# KiCad board QUT_Autopilot_Pixracer.kicad_pcb (continued)
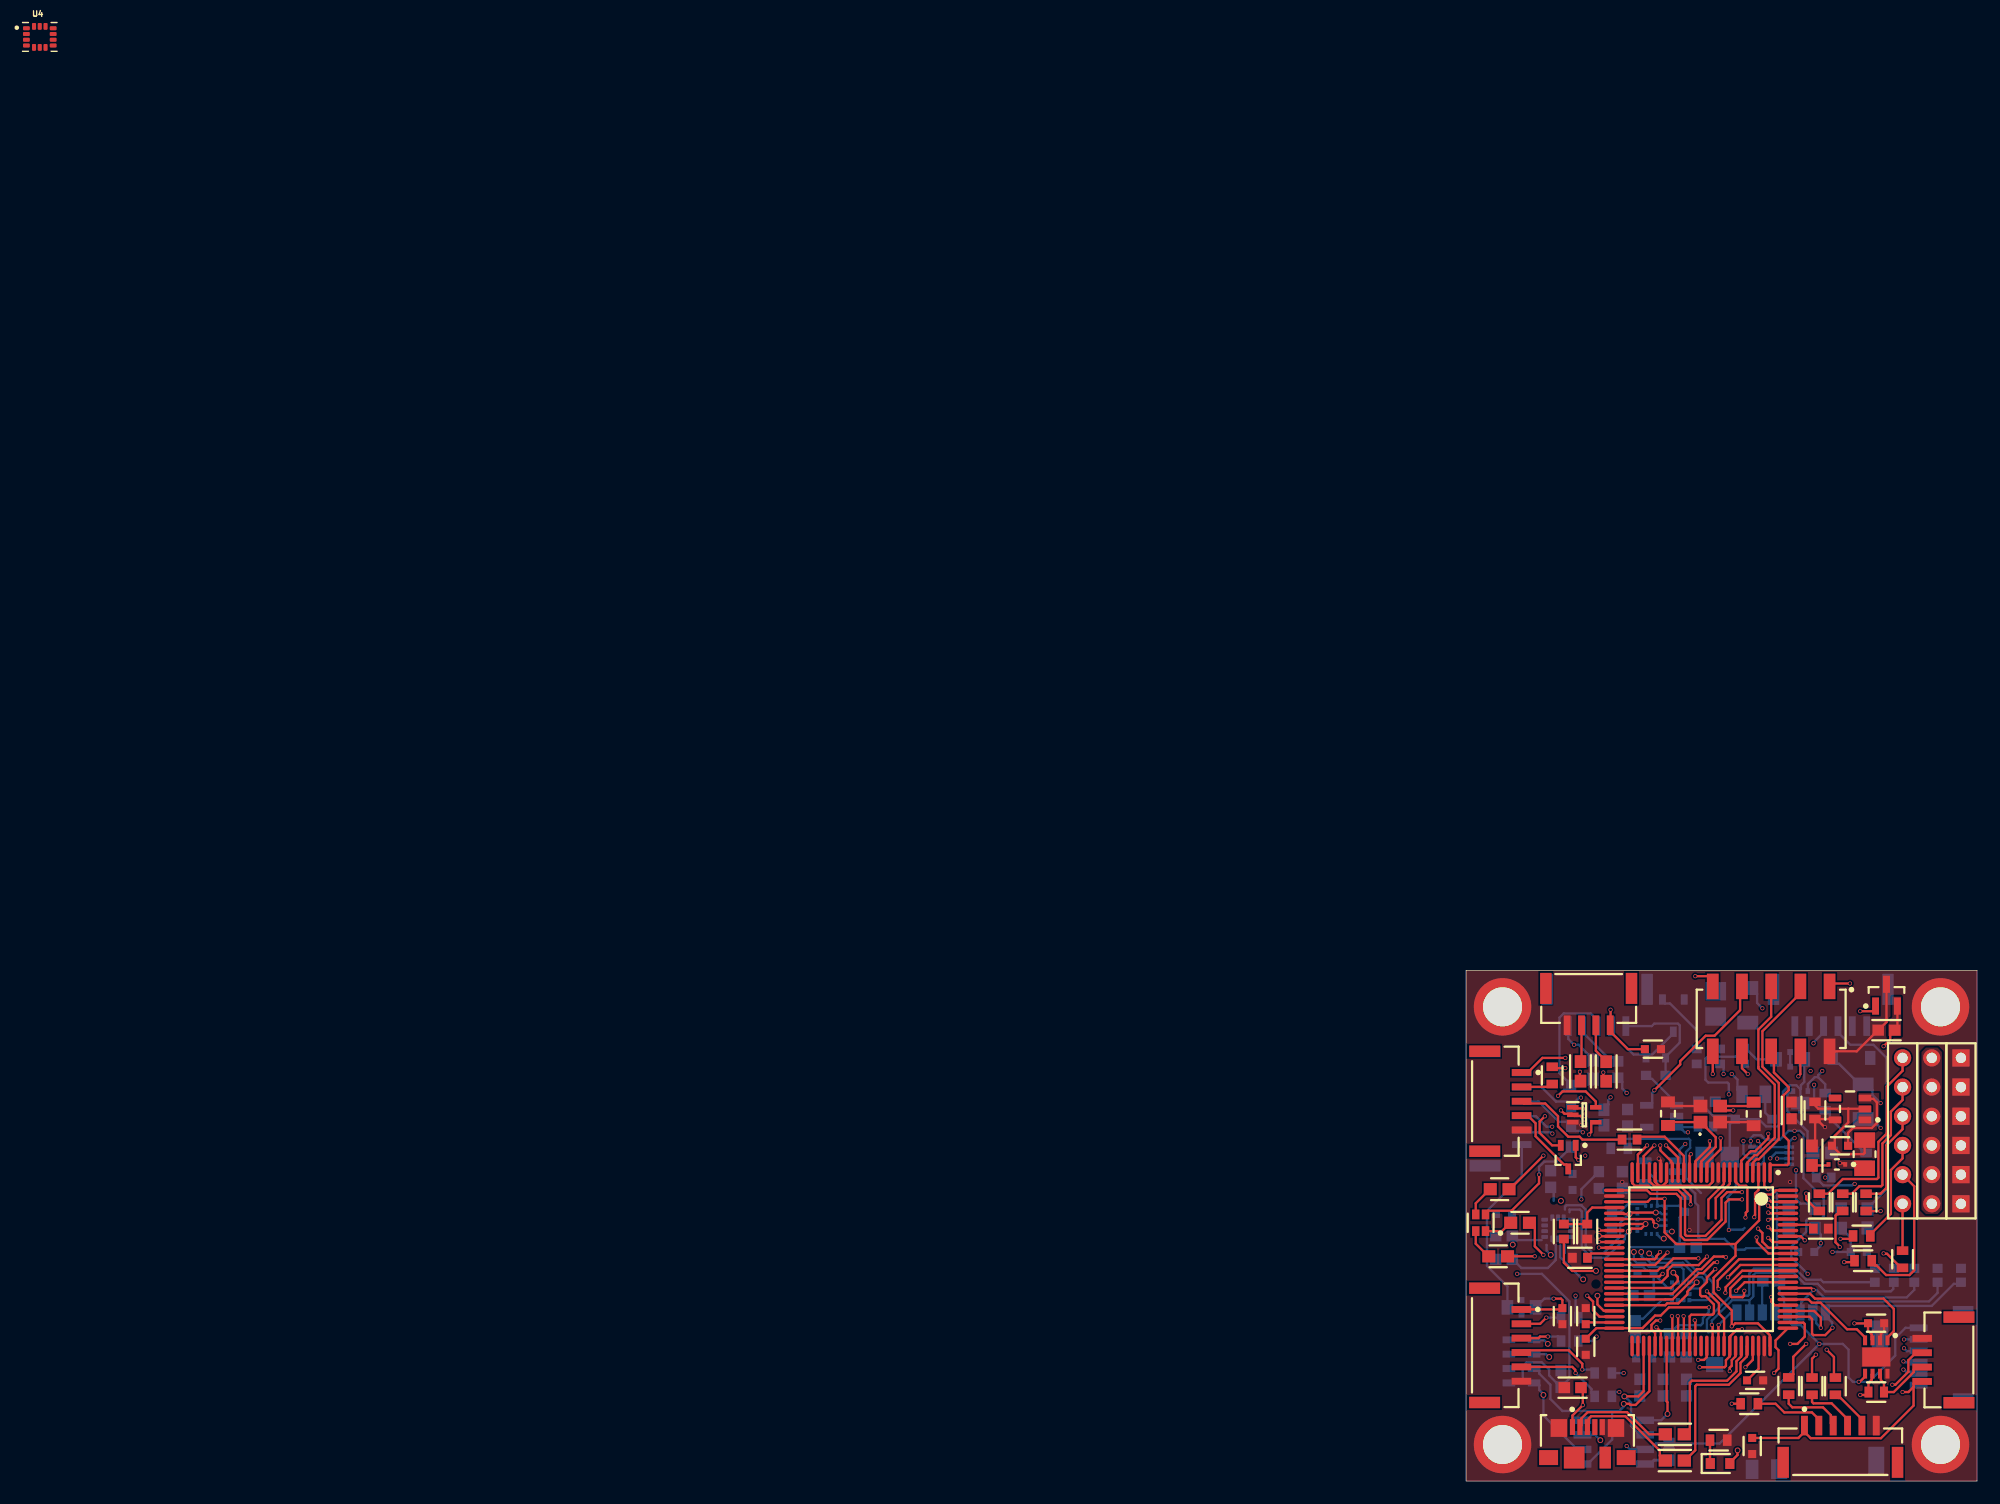
[diagram p0: board, top side]
## Routing (per net, layer and track width the routed paths; a pad name or vN(x,y) marks a point on that pad's centre or on a via; arc(x,y) is an arc through that point) (continued)
NetC19_2: length 5.7
  Bottom Layer w0.203: 7.8,20.55 7.8,20.54 7.8,19.23 7.11,18.54 4.81,18.54 4.05,19.3 C19.2
NetC24_1: length 3.3
  Bottom Layer w0.203: C24.1 13.44,23.46 14.09,24.11 15.53,24.11 15.63,24.01 IC5.14
NetC26_2: length 19.8
  Mid Layer 2 w0.203: v1(22.86,33.66) 22.86,32.9 21.09,31.14 20.87,31.14 v1(19.07,29.34)
  Bottom Layer w0.203: v1(22.86,33.66) 22.86,34.56 22.74,34.68 21.07,34.68 20.83,34.92 20.83,36.77 21,36.94 23.47,36.94 C27.1 25.27,36.7 C26.2 ; U1.1 18.39,27.87 18.59,28.07 18.59,28.86 v1(19.07,29.34)
NetC26_3: length 1.3
  Bottom Layer w0.203: C26.4 C26.3
NetC39_2: length 16.2
  Bottom Layer w0.203: J9.1 4.85,26.55 1.82,23.52 1.82,18.72 3.6,16.94 C39.2
NetC41_1: length 15.4
  Mid Layer 2 w0.203: v1(25.78,41.15) 27.23,39.7 29.39,39.7 30.99,38.1 v1(30.99,35.69)
  Bottom Layer w0.203: v1(30.99,35.69) 30.63,35.33 30.63,35.15 ; F1.2 24.82,42.91 25.32,42.41 25.32,41.61 v1(25.78,41.15) ; D2.1 29.73,34.55 30.33,35.15 30.63,35.15 ; 30.63,35.15 31.24,34.54 R44.1
NetC48_2: length 3.9
  Bottom Layer w0.203: C48.2 14.93,14.13 15.4,14.13 17.02,15.75 U3.4
NetD1_2: length 1.5
  Top Layer w0.203: R4.2 31.44,27.47 D1.2
NetD4_1: length 2.4
  Bottom Layer w0.203: D4.1 26.59,31.5 26.03,32.06 F2.1
NetIC1_37: length 2.5
  Top Layer w0.203: R1.1 10.56,19.48 10.88,19.8 IC1.37
NetIC1_94: length 2.4
  Top Layer w0.203: IC1.94 29.93,22.3 30.21,22.02 R2.1
NetIC8_6: length 10.4
  Top Layer w0.203: v1(34.29,7.49) 34.76,7.49 35.01,7.74 R19.1 35.01,8.52 35.29,8.8 35.29,9.27 IC8.6 ; J5.3 39.13,11.17 38.48,10.52 38.48,9.51 37.35,8.38 v1(37.08,8.38)
  Mid Layer 1 w0.203: v1(37.08,8.38) 37.08,7.87 36.7,7.49 v1(34.29,7.49)
NetIC8_7: length 6.1
  Top Layer w0.203: J5.2 39.14,9.92 38.94,9.72 38.94,9.48 37.21,7.74 R19.2 36.36,8.52 36.09,8.79 36.09,9.27 IC8.7
NetIC10_6: length 22.2
  Top Layer w0.203: R23.2 9.91,34.86 v1(9.91,35.63)
  Mid Layer 2 w0.203: v1(9.91,35.63) 9.91,35.59 10.41,35.09 12.07,35.09 12.55,35.56 14.74,35.56 15.85,34.44 22.83,34.44 24.13,33.14 v1(24.13,29.59)
  Bottom Layer w0.203: IC10.6 24.92,28.12 24.49,28.12 24.13,28.48 v1(24.13,29.59)
NetIC10_7: length 20.6
  Top Layer w0.203: R22.2 11.94,35.05 v1(11.94,35.56)
  Mid Layer 2 w0.203: v1(25.4,29.59) 25.4,32.77 23.37,34.8 16,34.8 14.86,35.94 12.32,35.94 v1(11.94,35.56)
  Bottom Layer w0.203: IC10.7 25.02,28.62 25.45,28.62 25.64,28.82 25.64,29.33 25.4,29.58 v1(25.4,29.59)
NetJ2_2: length 9.1
  Top Layer w0.203: R6.1 15.94,4.06 14.01,5.99 10.58,5.99 10.03,5.44 10.03,4.82 J2.2
NetJ2_3: length 9.4
  Top Layer w0.203: R7.1 17.29,1.78 16.86,2.21 16.86,2.64 13.86,5.64 10.88,5.64 10.68,5.44 10.68,4.82 J2.3
NetJ3_3: length 20.6
  Mid Layer 2 w0.203: v1(30.23,38.1) 30.48,37.85 30.48,35.57 25.86,30.95 25.86,29.89 v1(28.7,27.05)
  Bottom Layer w0.203: v1(30.23,38.1) 30.23,38.17 31.1,39.05 J3.3 ; v1(28.7,27.05) 28.7,24.55 29.1,24.15 29.95,24.15 30.35,23.74 R8.1
NetJ3_4: length 19.5
  Bottom Layer w0.203: J3.4 32.35,39.05 33.43,37.97 35.44,37.97 36.58,36.84 36.58,25.39 34.92,23.73 R11.1
NetJ6_2: length 2.8
  Top Layer w0.203: J6.2 7.25,34.31 R20.2
NetJ6_3: length 10.7
  Top Layer w0.203: J6.3 5.02,32.86 6.89,32.86 8,31.75 8,30.86 8.89,29.97 9.87,29.97 10.12,29.72 R21.1
NetJ7_2: length 3.7
  Top Layer w0.203: J7.2 6.45,13.69 v1(6.98,14.22)
  Bottom Layer w0.203: v1(6.98,14.22) R24.2
NetJ7_3: length 3.7
  Top Layer w0.203: J7.3 6.3,12.44 6.44,12.57 v1(7.11,12.57)
  Bottom Layer w0.203: v1(7.11,12.57) 7.99,12.57 8.27,12.3 R25.2
NetJ7_4: length 7.6
  Top Layer w0.203: J7.4 5.01,11.38 8.94,11.38 10.11,10.21 v1(10.11,9.7)
  Bottom Layer w0.203: v1(10.11,9.7) 10.91,9.7 11.19,9.43 R26.2
NetJ7_5: length 7.8
  Top Layer w0.203: J7.5 9.24,9.94 9.5,9.68 9.5,9.43 v1(9.52,9.4)
  Bottom Layer w0.203: R27.2 10.91,7.64 10.91,8.01 v1(9.52,9.4)
NetJ8_2: length 6.4
  Top Layer w0.203: J8.2 30.69,5.38 30.09,5.97 27.69,5.97 26.92,6.73 R28.2
NetJ8_3: length 5.9
  Top Layer w0.203: J8.3 31.74,5.02 31.74,5.73 31.06,6.41 28.39,6.41 28.07,6.73 R29.2
NetJ8_4: length 4.9
  Top Layer w0.203: R30.2 30.1,6.88 30.22,6.76 31.8,6.76 33.19,5.38 J8.4
NetJ8_5: length 3.7
  Top Layer w0.203: R31.2 32.4,7.23 32.58,7.23 34.44,5.38 J8.5
NetJ12_1: length 4.1
  Top Layer w0.203: R34.1 J12.1
NetJ12_2: length 13.2
  Top Layer w0.203: R35.1 35.29,19.05 35.57,18.78 35.69,18.78 36.54,17.93 38.58,17.93 38.99,18.34 38.99,25.65 J12.2
NetJ12_3: length 9
  Top Layer w0.203: R36.1 35.17,21.46 36.96,23.25 36.96,27.07 37.97,28.09 J12.3
NetJ12_4: length 8.8
  Top Layer w0.203: R37.1 36.06,25.01 36.58,25.53 36.58,29.23 37.97,30.63 J12.4
NetJ12_5: length 13
  Top Layer w0.203: J12.5 37.97,33.17 36.96,32.15 36.96,30.11 36.22,29.38 36.22,25.77 36.1,25.65 34.21,25.65 33.56,25.01 R38.1
NetJ12_6: length 17
  Top Layer w0.203: R39.1 31.49,25.01 32.77,26.29 35.75,26.29 35.87,26.41 35.87,29.52 36.6,30.26 36.6,34.34 37.97,35.71 J12.6
NetJ13_2: length 4.7
  Bottom Layer w0.203: J13.2 10.15,39.05 12.3,36.9 12.84,36.9 R41.2
NetLED1_1: length 2
  Top Layer w0.203: LED1.1 21.22,1.55 R46.1
NetLED2_1: length 2.5
  Top Layer w0.203: R52.1 3.85,22.48 3.12,21.75 LED2.1
NetLED2_2: length 2.7
  Top Layer w0.203: LED2.2 0.84,20.66 1.94,19.56 R51.1
NetLED2_3: length 2.7
  Top Layer w0.203: R50.1 2.07,25.4 0.84,24.18 LED2.3
NetQ1_1: length 5.7
  Bottom Layer w0.203: R49.1 20.07,39.24 17.74,41.56 17.28,41.56 17.08,41.76
nMAG_CS: length 8.8
  Top Layer w0.203: IC1.46 17.34,15.3 17.5,15.47 18.47,15.47 19.25,16.25 19.25,16.48 v2(20.07,17.29)
  Bottom Layer w0.203: v2(20.07,17.29) 20.06,17.28 19.43,17.28 U3.10
nMAG_DRDY: length 7.7
  Top Layer w0.203: v2(18.03,18.14) 18.03,18.13 18.42,17.74 18.42,17.41 17.82,16.8 IC1.43
  Bottom Layer w0.203: v2(18.03,18.14) 18.05,18.14 18.42,17.76 18.42,17.27 U3.8
OSC_IN: length 10.7
  Top Layer w0.203: C3.1 24.68,32.64 Y1.3 22.48,32.26 v1(23.24,32.26) ; IC1.12 20.97,26.87 20.97,27.7 22.15,28.88 v1(22.15,29.84)
  Mid Layer 1 w0.203: v1(23.24,32.26) 23.24,30.94 v1(22.15,29.84)
OSC_OUT: length 8.4
  Top Layer w0.203: IC1.13 20.47,26.87 20.47,27.82 21.72,29.07 21.72,29.92 20.9,30.74 20.9,30.79 20.45,31.24 17.86,31.24 C4.2
OTG_FS_DM: length 11.6
  Top Layer w0.203: R6.2 19.04,4.06 19.47,4.49 19.47,8.55 19.65,8.73 22.71,8.73 23.52,9.54 23.52,10.43 23.93,10.84 23.93,11.74 IC1.70
OTG_FS_DP: length 13.9
  Top Layer w0.203: R7.2 19.04,1.78 19.94,2.68 19.94,8.26 20.06,8.38 22.86,8.38 23.88,9.4 23.88,10.29 24.43,10.84 24.43,11.74 IC1.71
RC_INPUT: length 21
  Top Layer w0.203: v1(8.26,32.26) 8.27,32.26 8.55,31.98 9.19,31.98 9.39,31.78 9.96,31.78 10.26,31.48 v1(10.27,31.48) ; v1(8.64,35.94) 7.61,35.94 R20.1 ; v1(11.56,20.83) 11.58,20.8 IC1.35
  Mid Layer 1 w0.203: v1(8.26,32.26) 8.64,32.64 v1(8.64,35.94) ; v1(11.56,20.83) 10.66,20.83 10.54,20.95 10.54,23.63 11.15,24.24 11.15,30.63 10.31,31.48 v1(10.27,31.48)
RSSI_IN: length 6.3
  Top Layer w0.203: R21.2 15.13,29.97 17.27,29.97 18.95,28.3 IC1.16
SAFETY_SWITCH_IN: length 23
  Top Layer w0.203: v1(11.55,21.87) 11.57,21.87 11.63,21.8 IC1.33
  Mid Layer 1 w0.203: v1(9.4,37.97) 9.4,32.51 9.93,31.98 10.82,31.98 11.56,31.24 11.56,21.87 v1(11.55,21.87)
  Bottom Layer w0.203: J13.1 8.9,38.47 v1(9.4,37.97) 9.79,37.97 11.05,36.71 R40.1
SBUS_INV: length 31.8
  Top Layer w0.203: v1(10.16,32.41) 10.13,32.44 9.38,32.44 IC9.1 ; IC1.7 23.45,26.08 23.5,26.03 23.5,25.99 23.78,25.7 24.35,25.7 24.47,25.58 24.47,23.49 24.33,23.35 24.33,22.97 v1(24.31,22.94)
  Mid Layer 2 w0.203: v1(10.16,32.41) 9.15,31.39 7.14,31.39 6.66,30.92 6.66,29.15 8.79,27.03 13.99,27.03 15.51,25.5 20.73,25.5 20.73,25.5 20.85,25.5 23.41,22.94 v1(24.31,22.94)
SDIO_CK: length 3.4
  Top Layer w0.203: IC1.80 26.86,15.3 26.57,15.59 26.57,15.97 v1(26.54,16)
  Bottom Layer w0.203: v1(26.54,16) 26.56,15.98 26.56,14.98 J4.5
SDIO_CMD: length 14.7
  Top Layer w0.203: v1(30.23,16.64) 30.18,16.64 30.02,16.8 IC1.83
  Bottom Layer w0.203: R17.2 38.99,16.64 38.33,15.98 31.13,15.98 30.49,16.63 30.24,16.63 v1(30.23,16.64) 29.15,15.56 29.15,14.77 J4.3
SDIO_D0: length 23.3
  Top Layer w0.203: v1(21.38,13.59) 21.38,13.55 21.45,13.49 IC1.65
  Bottom Layer w0.203: v1(21.38,13.59) 21.38,13.98 23.15,15.74 24.66,15.74 ; 24.66,15.74 24.99,16.07 24.99,17.92 25.21,18.13 28.48,18.13 29.44,17.17 30.58,17.17 31.24,16.51 36.96,16.51 37.16,16.72 37.16,17.26 R18.2 ; 24.66,15.74 J4.7
SDIO_D1: length 24.4
  Top Layer w0.203: v1(21.97,13.59) 21.97,13.58 21.95,13.55 IC1.66
  Bottom Layer w0.203: v1(21.97,13.59) 22.98,14.59 23.48,14.59 J4.8 ; R14.1 31.08,17.31 30.86,17.53 29.59,17.53 28.63,18.49 25.05,18.49 24.64,18.07 24.64,16.25 24.52,16.13 23.04,16.13 20.95,14.05 20.95,13.07 21.07,12.95 21.72,12.95 21.96,13.2 21.96,13.58
SDIO_D2: length 20.2
  Top Layer w0.203: v1(31.88,13.33) 31.24,12.7 30.22,12.7 30.1,12.82 30.1,14.1 29.89,14.3 IC1.78
  Bottom Layer w0.203: R15.2 42.91,17.17 42.44,17.17 40.51,15.24 31.56,15.24 31.26,14.94 31.26,14.38 31.85,13.79 31.85,13.36 v1(31.88,13.33)
SDIO_D3: length 18.4
  Top Layer w0.203: v1(30.86,13.33) 30.86,14.22 30.28,14.8 IC1.79
  Bottom Layer w0.203: R16.2 41.02,16.38 40.27,15.63 30.57,15.63 30.45,15.51 30.45,14.97 J4.2 30.46,14.38 30.46,13.74 v1(30.86,13.33)
SPEKTRUM_POWER: length 22.8
  Top Layer w0.203: IC1.3 25.43,26.84 25.43,25.32 25.14,25.04 25.14,23.15 25.1,23.1 25.1,22.99 v1(25.07,22.96) ; v1(9.78,27.94) 9.54,28.18 Q2.1
  Mid Layer 2 w0.203: v1(25.07,22.96) 24.67,23.37 23.48,23.37 20.99,25.85 15.67,25.85 14.03,27.5 10.22,27.5 v1(9.78,27.94)
~{RST}: length 24.5
  Top Layer w0.203: IC1.14 19.96,26.86 19.96,27.83 21.21,29.08 v1(21.21,29.59) ; IC2.1 35.63,41.09 35.43,40.89 v1(34.29,40.89)
  Mid Layer 1 w0.203: v1(34.29,40.89) 31.26,37.86 31.08,37.86 30.4,38.53 30.05,38.53 27.06,35.54 27.06,33.94 22.28,29.16 21.64,29.16 v1(21.21,29.59)

## Copper pours and planes (outline as drawn; the poured copper is in the pictures)
GND on Top Layer: 0,44.45 0,0 44.45,0 44.45,44.45
GND on Bottom Layer: 0,44.45 0,0 44.45,0 44.45,44.45
GND on Mid Layer 1: 0,0 0,44.45 44.45,44.45 44.45,0
GND on Mid Layer 2: 0,0 0,44.45 44.45,44.45 44.45,0
VDD_1V8_SENSORS on Bottom Layer: 7.11,26.16 9.52,26.16 9.52,25.02 9.27,24.77 7.11,24.77
VDD_3V3_PERIPH on Bottom Layer: 11.43,33.15 11.56,33.27 16,33.27 16.38,32.89 16.38,31.88 11.43,31.88
VDD_3V3_SENSORS on Bottom Layer: 13.59,29.21 14.73,29.21 14.73,28.45 14.85,28.33 16.09,28.33 16.09,27.42 15.97,27.31 14.35,27.31 14.35,26.67 10.8,26.67 10.8,27.09 11.52,27.81 13.59,27.81
VDD_3V3_SENSORS on Bottom Layer: 3.56,23.62 3.56,21.21 4.45,21.21 4.45,23.62
VDD_5V_BRICK on Bottom Layer: 23.75,40.64 30.23,40.64 30.23,38.61 28.32,38.61 27.81,39.12 23.75,39.12
VDD_5V_IN on Top Layer: 34.16,33.78 34.16,31.47 32.89,30.35 32.89,28.83 33.65,28.83 35.94,30.73 35.94,33.78
VDD_5V_IN on Bottom Layer: 17.78,33.53 20.45,33.53 20.45,32.26 17.78,32.26
VDD_5V_IN on Bottom Layer: 20.45,33.53 21.97,32 25.4,32 26.04,31.37 27.3,31.37 27.3,34.04 28.83,35.56 28.83,37.59 30.23,37.59 30.23,35.18 29.59,34.42 29.59,32.26 27.81,32.26 27.81,31.11 27.3,30.61 24.26,30.61 23.75,30.1 23.75,23.11 24.38,22.48 24.64,22.48 24.64,21.59 23.11,21.59 23.11,22.86 22.48,23.5 22.48,30.61 22.1,30.61 20.7,32 19.81,32 19.81,33.53
VDD_5V_IN on Bottom Layer: 29.21,37.59 32.13,37.59 32.13,36.07 32,35.94 29.21,35.94
VDD_5V_IN on Bottom Layer: 15.37,35.81 15.49,35.94 15.88,35.94 18.29,33.53 18.29,32.26 17.91,32.26 15.37,34.8
VDD_SERVO on Top Layer: 39.62,37.34 40.01,37.72 41.02,37.72 41.4,37.34 41.4,23.62 41.02,23.24 40.01,23.24 39.62,23.62
FMU_VBAT on Top Layer: 32.32,27.94 35.31,27.94 35.31,27.18 32.58,27.18 32.32,27.43
FMU_VDD_3V3 on Top Layer: 37.85,42.16 37.85,38.73 36.7,38.73 36.7,40 37.08,40.39 37.08,42.16
FMU_VDD_3V3 on Top Layer: 27.94,32 32.51,32 32.51,30.86 30.61,28.96 29.59,28.96 29.59,29.84 28.96,30.48 27.94,30.48
NetC2_2 on Bottom Layer: 17.14,13.08 17.02,12.95 17.02,11.43 16.26,11.43 15.75,10.92 15.75,9.78 15.24,9.78 14.86,9.4 14.86,8.25 19.56,8.25 19.56,9.53 18.54,9.53 18.29,9.78 18.29,13.08
NetC41_1 on Bottom Layer: 21.02,43.56 25.21,43.56 25.21,41.78 21.02,41.78
NetJ3_3 on Bottom Layer: 27.81,24.38 30.61,24.38 30.61,22.99 27.81,22.99
NetJ3_4 on Bottom Layer: 32.39,24.38 32.26,24.26 32.26,23.24 32.51,22.99 35.18,22.99 35.31,23.11 35.31,24.26 35.18,24.38
NetQ1_1 on Bottom Layer: 22.35,38.1 22.35,37.08 19.94,37.08 19.81,37.21 19.81,38.1
NetR14_2 on Bottom Layer: 35.31,19.05 43.31,19.05 43.31,18.03 35.31,18.03

## Text on the board
Bottom Overlay: QUT_PixRacer_V1 | By KCL
